# Altium PCB A8_multiple.PcbDoc (part 6 of 10) (continued)
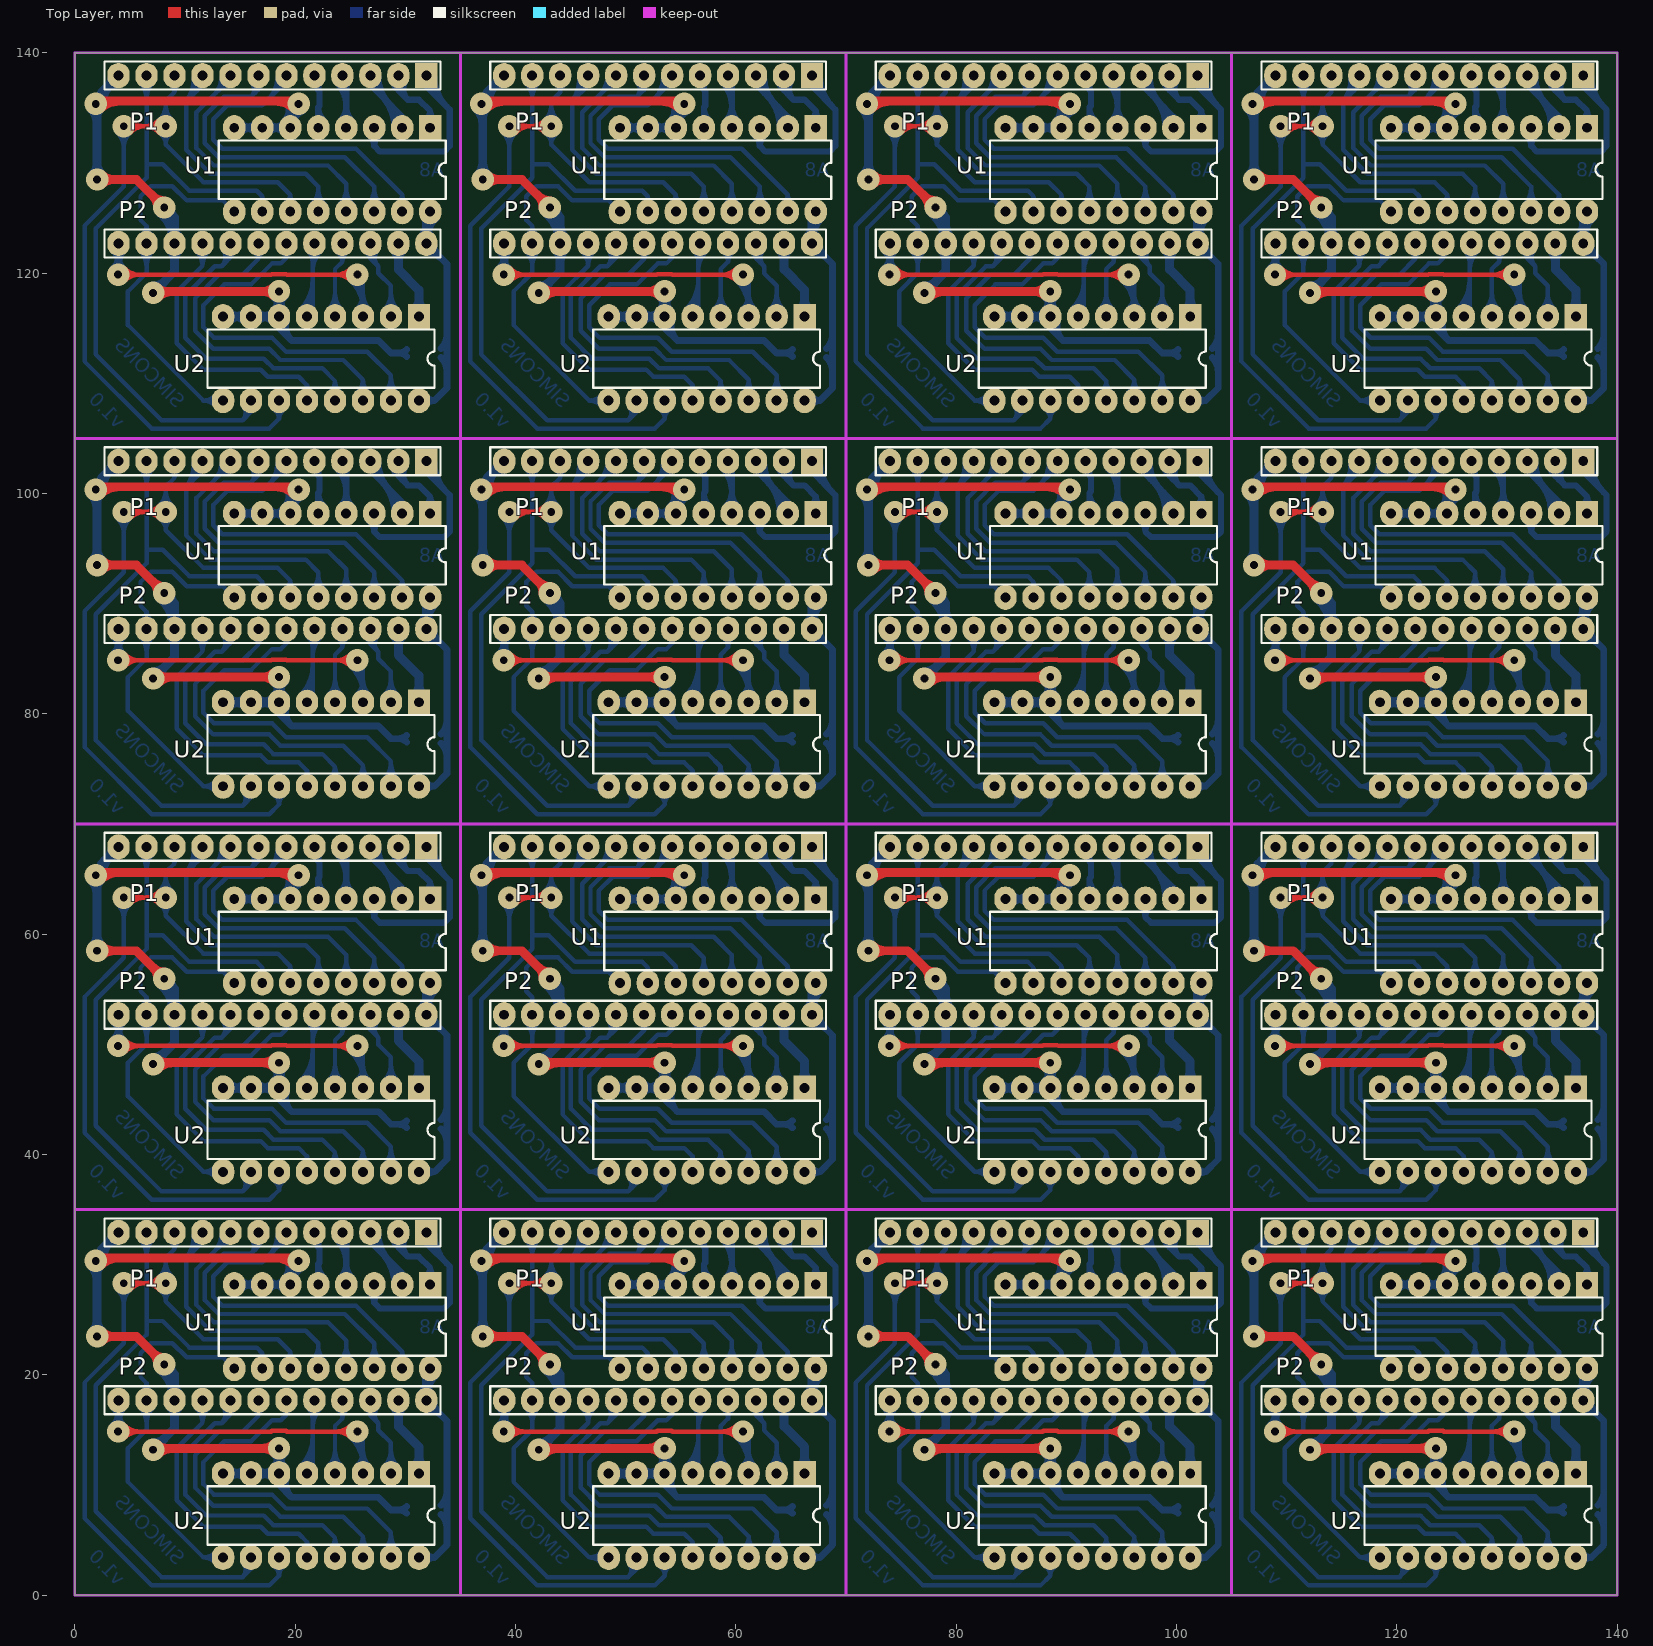
[diagram p0: Top Layer view]
## Nets (pads, with @x,y where several pads share a name; then routed paths per layer and width w, separated by ;. In a path a pad name is that pad's centre, name@x,y a point inside that pad or via, vN(x,y) a via of type N, cw(c..) or ccw(c..) an arc to the next point about the centre after c; other vN are vias at no path point) (continued)
; 72.032,134.188 cw(c73.07,134.188) v1@72.336,134.922 ; v1@72.515,30.353 cw(c75.213,30.353) 73.305,32.261 ; v1@72.515,65.353 cw(c75.213,65.353) 73.305,67.261 ; v1@72.515,100.353 cw(c75.213,100.353) 73.305,102.261 ; v1@72.515,135.353 cw(c75.213,135.353) 73.305,137.261 ; 72.718,31.674 cw(c73.975,30.416) 73.975,32.194 ; 72.718,66.674 cw(c73.975,65.416) 73.975,67.194 ; 72.718,101.674 cw(c73.975,100.416) 73.975,102.194 ; 72.718,136.674 cw(c73.975,135.416) 73.975,137.194 ; 73.024,31.98 ccw(c72.2,32.804) 73.365,32.804 ; 73.024,66.98 ccw(c72.2,67.804) 73.365,67.804 ; 73.024,101.98 ccw(c72.2,102.804) 73.365,102.804 ; 73.024,136.98 ccw(c72.2,137.804) 73.365,137.804 ; v1(77.112,13.208) 79.055,15.151 79.055,17.691 79.055,20.028 v1(78.128,20.955) ; v1@77.112,13.818 ccw(c77.112,15.289) 78.153,14.249 ccw(c79.193,13.208) v1@77.722,13.208 ; v1(77.112,48.208) 79.055,50.151 79.055,52.691 79.055,55.028 v1(78.128,55.955) ; v1@77.112,48.818 ccw(c77.112,50.289) 78.153,49.249 ccw(c79.193,48.208) v1@77.722,48.208 ; v1(77.112,83.208) 79.055,85.151 79.055,87.691 79.055,90.028 v1(78.128,90.955) ; v1@77.112,83.818 ccw(c77.112,85.289) 78.153,84.249 ccw(c79.193,83.208) v1@77.722,83.208 ; v1(77.112,118.208) 79.055,120.151 79.055,122.691 79.055,125.028 v1(78.128,125.955) ; v1@77.112,118.818 ccw(c77.112,120.289) 78.153,119.249 ccw(c79.193,118.208) v1@77.722,118.208 ; v1@77.726,20.497 cw(c75.15,17.562) 79.055,17.562 ; v1@77.726,55.497 cw(c75.15,52.562) 79.055,52.562 ; v1@77.726,90.497 cw(c75.15,87.562) 79.055,87.562 ; v1@77.726,125.497 cw(c75.15,122.562) 79.055,122.562 ; v1@78.262,21.108 cw(c76.725,19.357) 79.055,19.357 ; v1@78.262,56.108 cw(c76.725,54.357) 79.055,54.357 ; v1@78.262,91.108 cw(c76.725,89.357) 79.055,89.357 ; v1@78.262,126.108 cw(c76.725,124.357) 79.055,124.357 ; 78.624,17.133 cw(c77.583,16.092) 79.055,16.092 cw(c80.527,16.092) 79.486,17.133 ; 78.624,18.249 ccw(c77.583,19.29) 79.055,19.29 ccw(c80.527,19.29) 79.486,18.249 ; 78.624,52.133 cw(c77.583,51.092) 79.055,51.092 cw(c80.527,51.092) 79.486,52.133 ; 78.624,53.249 ccw(c77.583,54.29) 79.055,54.29 ccw(c80.527,54.29) 79.486,53.249 ; 78.624,87.133 cw(c77.583,86.092) 79.055,86.092 cw(c80.527,86.092) 79.486,87.133 ; 78.624,88.249 ccw(c77.583,89.29) 79.055,89.29 ccw(c80.527,89.29) 79.486,88.249 ; 78.624,122.133 cw(c77.583,121.092) 79.055,121.092 cw(c80.527,121.092) 79.486,122.133 ; 78.624,123.249 ccw(c77.583,124.29) 79.055,124.29 ccw(c80.527,124.29) 79.486,123.249 ; 83.462,11.049 86.002,11.049 88.542,11.049 v1(88.542,13.335) ; 83.462,46.049 86.002,46.049 88.542,46.049 v1(88.542,48.335) ; 83.462,81.049 86.002,81.049 88.542,81.049 v1(88.542,83.335) ; 83.462,116.049 86.002,116.049 88.542,116.049 v1(88.542,118.335) ; 83.893,10.618 cw(c84.934,9.577) 84.934,11.049 cw(c84.934,12.521) 83.893,11.48 ; 83.893,45.618 cw(c84.934,44.577) 84.934,46.049 cw(c84.934,47.521) 83.893,46.48 ; 83.893,80.618 cw(c84.934,79.577) 84.934,81.049 cw(c84.934,82.521) 83.893,81.48 ; 83.893,115.618 cw(c84.934,114.577) 84.934,116.049 cw(c84.934,117.521) 83.893,116.48 ; 85.571,10.618 ccw(c84.53,9.577) 84.53,11.049 ccw(c84.53,12.521) 85.571,11.48 ; 85.571,45.618 ccw(c84.53,44.577) 84.53,46.049 ccw(c84.53,47.521) 85.571,46.48 ; 85.571,80.618 ccw(c84.53,79.577) 84.53,81.049 ccw(c84.53,82.521) 85.571,81.48 ; 85.571,115.618 ccw(c84.53,114.577) 84.53,116.049 ccw(c84.53,117.521) 85.571,116.48 ; 86.433,10.618 cw(c87.474,9.577) 87.474,11.049 cw(c87.474,12.521) 86.433,11.48 ; 86.433,45.618 cw(c87.474,44.577) 87.474,46.049 cw(c87.474,47.521) 86.433,46.48 ; 86.433,80.618 cw(c87.474,79.577) 87.474,81.049 cw(c87.474,82.521) 86.433,81.48 ; 86.433,115.618 cw(c87.474,114.577) 87.474,116.049 cw(c87.474,117.521) 86.433,116.48 ; 88.111,10.618 ccw(c87.07,9.577) 87.07,11.049 ccw(c87.07,12.521) 88.111,11.48 ; 88.111,11.607 ccw(c87.07,12.648) 88.542,12.648 ccw(c90.014,12.648) 88.973,11.607 ; v1@88.111,12.904 cw(c87.07,11.863) 88.542,11.863 cw(c90.014,11.863) v1@88.973,12.904 ; 88.111,45.618 ccw(c87.07,44.577) 87.07,46.049 ccw(c87.07,47.521) 88.111,46.48 ; 88.111,46.607 ccw(c87.07,47.648) 88.542,47.648 ccw(c90.014,47.648) 88.973,46.607 ; v1@88.111,47.904 cw(c87.07,46.863) 88.542,46.863 cw(c90.014,46.863) v1@88.973,47.904 ; 88.111,80.618 ccw(c87.07,79.577) 87.07,81.049 ccw(c87.07,82.521) 88.111,81.48 ; 88.111,81.607 ccw(c87.07,82.648) 88.542,82.648 ccw(c90.014,82.648) 88.973,81.607 ; v1@88.111,82.904 cw(c87.07,81.863) 88.542,81.863 cw(c90.014,81.863) v1@88.973,82.904 ; 88.111,115.618 ccw(c87.07,114.577) 87.07,116.049 ccw(c87.07,117.521) 88.111,116.48 ; 88.111,116.607 ccw(c87.07,117.648) 88.542,117.648 ccw(c90.014,117.648) 88.973,116.607 ; v1@88.111,117.904 cw(c87.07,116.863) 88.542,116.863 cw(c90.014,116.863) v1@88.973,117.904 ; v1@88.195,12.834 cw(c87.867,12.359) 88.425,12.21 ; v1@88.195,47.834 cw(c87.867,47.359) 88.425,47.21 ; v1@88.195,82.834 cw(c87.867,82.359) 88.425,82.21 ; v1@88.195,117.834 cw(c87.867,117.359) 88.425,117.209 ; v1@88.237,12.807 cw(c87.805,12.059) 88.64,12.282 ; v1@88.237,47.807 cw(c87.805,47.059) 88.64,47.282 ; v1@88.237,82.807 cw(c87.805,82.059) 88.64,82.282 ; v1@88.237,117.807 cw(c87.805,117.058) 88.64,117.282 ; 88.444,12.282 cw(c89.279,12.059) v1@88.847,12.807 ; 88.444,47.282 cw(c89.279,47.059) v1@88.847,47.807 ; 88.444,82.282 cw(c89.279,82.059) v1@88.847,82.807 ; 88.444,117.282 cw(c89.279,117.058) v1@88.847,117.807 ; 88.659,12.209 cw(c89.217,12.359) v1@88.889,12.834 ; 88.659,47.209 cw(c89.217,47.359) v1@88.889,47.834 ; 88.659,82.209 cw(c89.217,82.359) v1@88.889,82.834 ; 88.659,117.209 cw(c89.217,117.359) v1@88.889,117.834 ; 89.127,28.752 ccw(c88.086,29.793) 89.558,29.793 ccw(c91.03,29.793) 89.989,28.752 ; 89.127,63.752 ccw(c88.086,64.793) 89.558,64.793 ccw(c91.03,64.793) 89.989,63.752 ; 89.127,98.752 ccw(c88.086,99.793) 89.558,99.793 ccw(c91.03,99.793) 89.989,98.752 ; 89.127,133.752 ccw(c88.086,134.793) 89.558,134.793 ccw(c91.03,134.793) 89.989,133.752 ; 89.558,28.064 cw(c91.545,28.064) v1@90.608,29.815 ; 89.558,28.194 89.558,29.972 89.685,29.972 v1@90.447,30.734 ; 89.558,29.42 cw(c90.819,29.42) v1@90.224,30.532 ; 89.558,63.064 cw(c91.545,63.064) v1@90.608,64.815 ; 89.558,63.194 89.558,64.972 89.685,64.972 v1@90.447,65.734 ; 89.558,64.42 cw(c90.819,64.42) v1@90.224,65.532 ; 89.558,98.064 cw(c91.545,98.064) v1@90.608,99.815 ; 89.558,98.194 89.558,99.972 89.685,99.972 v1@90.447,100.734 ; 89.558,99.42 cw(c90.819,99.42) v1@90.224,100.532 ; 89.558,133.064 cw(c91.545,133.064) v1@90.608,134.815 ; 89.558,133.194 89.558,134.972 89.685,134.972 v1@90.447,135.734 ; 89.558,134.42 cw(c90.819,134.42) v1@90.224,135.532 ; v1(90.32,30.353) 90.32,30.48 90.447,30.607 v1@90.447,30.734 ; v1(90.32,65.353) 90.32,65.48 90.447,65.607 v1@90.447,65.734 ; v1(90.32,100.353) 90.32,100.48 90.447,100.607 v1@90.447,100.734 ; v1(90.32,135.353) 90.32,135.48 90.447,135.607 v1@90.447,135.734 ; v1@90.574,30.861 v1@90.447,30.734 ; v1@90.574,65.861 v1@90.447,65.734 ; v1@90.574,100.861 v1@90.447,100.734 ; v1@90.574,135.861 v1@90.447,135.734 ; 98.944,17.133 cw(c97.903,16.092) 99.375,16.092 cw(c100.847,16.092) 99.806,17.133 ; 98.944,52.133 cw(c97.903,51.092) 99.375,51.092 cw(c100.847,51.092) 99.806,52.133 ; 98.944,87.133 cw(c97.903,86.092) 99.375,86.092 cw(c100.847,86.092) 99.806,87.133 ; 98.944,122.133 cw(c97.903,121.092) 99.375,121.092 cw(c100.847,121.092) 99.806,122.133 ; 99.375,17.691 99.375,15.329 101.242,13.462 101.242,11.049 ; 99.375,52.691 99.375,50.329 101.242,48.462 101.242,46.049 ; 99.375,87.691 99.375,85.329 101.242,83.462 101.242,81.049 ; 99.375,122.691 99.375,120.329 101.242,118.462 101.242,116.049 ; 100.811,11.607 ccw(c99.77,12.648) 101.242,12.648 ccw(c102.714,12.648) 101.673,11.607 ; 100.811,46.607 ccw(c99.77,47.648) 101.242,47.648 ccw(c102.714,47.648) 101.673,46.607 ; 100.811,81.607 ccw(c99.77,82.648) 101.242,82.648 ccw(c102.714,82.648) 101.673,81.607 ; 100.811,116.607 ccw(c99.77,117.648) 101.242,117.648 ccw(c102.714,117.648) 101.673,116.607 ; 101.484,18.249 ccw(c100.443,19.29) 101.915,19.29 ccw(c103.387,19.29) 102.346,18.249 ; 101.484,53.249 ccw(c100.443,54.29) 101.915,54.29 ccw(c103.387,54.29) 102.346,53.249 ; 101.484,88.249 ccw(c100.443,89.29) 101.915,89.29 ccw(c103.387,89.29) 102.346,88.249 ; 101.484,123.249 ccw(c100.443,124.29) 101.915,124.29 ccw(c103.387,124.29) 102.346,123.249 ; 101.915,17.691 101.915,20.231 102.258,20.574 ; 101.915,18.147 cw(c104.558,18.147) 102.689,20.016 ; 101.915,52.691 101.915,55.231 102.258,55.574 ; 101.915,53.147 cw(c104.558,53.147) 102.689,55.016 ; 101.915,87.691 101.915,90.231 102.258,90.574 ; 101.915,88.147 cw(c104.558,88.147) 102.689,90.016 ; 101.915,122.691 101.915,125.231 102.258,125.574 ; 101.915,123.147 cw(c104.558,123.147) 102.689,125.016 ; v1@106.474,29.922 cw(c105.127,28.575) 107.032,28.575 ; v1@106.474,64.922 cw(c105.127,63.575) 107.032,63.575 ; v1@106.474,99.922 cw(c105.127,98.575) 107.032,98.575 ; v1@106.474,134.922 cw(c105.127,133.575) 107.032,133.575 ; v1@106.601,23.926 ccw(c105.56,24.967) 107.032,24.967 ccw(c108.504,24.967) v1@107.463,23.926 ; v1@106.601,58.926 ccw(c105.56,59.967) 107.032,59.967 ccw(c108.504,59.967) v1@107.463,58.926 ; v1@106.601,93.926 ccw(c105.56,94.967) 107.032,94.967 ccw(c108.504,94.967) v1@107.463,93.926 ; v1@106.601,128.926 ccw(c105.56,129.967) 107.032,129.967 ccw(c108.504,129.967) v1@107.463,128.926 ; v1(107.032,23.495) 107.032,30.226 107.413,30.607 107.413,31.369 108.975,32.931 ; 107.032,29.188 cw(c108.07,29.188) v1@107.336,29.922 ; v1(107.032,58.495) 107.032,65.226 107.413,65.607 107.413,66.369 108.975,67.931 ; 107.032,64.188 cw(c108.07,64.188) v1@107.336,64.922 ; v1(107.032,93.495) 107.032,100.226 107.413,100.607 107.413,101.369 108.975,102.931 ; 107.032,99.188 cw(c108.07,99.188) v1@107.336,99.922 ; v1(107.032,128.495) 107.032,135.226 107.413,135.607 107.413,136.369 108.975,137.931 ; 107.032,134.188 cw(c108.07,134.188) v1@107.336,134.922 ; v1@107.515,30.353 cw(c110.213,30.353) 108.305,32.261 ; v1@107.515,65.353 cw(c110.213,65.353) 108.305,67.261 ; v1@107.515,100.353 cw(c110.213,100.353) 108.305,102.261 ; v1@107.515,135.353 cw(c110.213,135.353) 108.305,137.261 ; 107.718,31.674 cw(c108.975,30.416) 108.975,32.194 ; 107.718,66.674 cw(c108.975,65.416) 108.975,67.194 ; 107.718,101.674 cw(c108.975,100.416) 108.975,102.194 ; 107.718,136.674 cw(c108.975,135.416) 108.975,137.194 ; 108.024,31.98 ccw(c107.2,32.804) 108.365,32.804 ; 108.024,66.98 ccw(c107.2,67.804) 108.365,67.804 ; 108.024,101.98 ccw(c107.2,102.804) 108.365,102.804 ; 108.024,136.98 ccw(c107.2,137.804) 108.365,137.804 ; v1(112.112,13.208) 114.055,15.151 114.055,17.691 114.055,20.028 v1(113.128,20.955) ; v1@112.112,13.818 ccw(c112.112,15.289) 113.153,14.249 ccw(c114.193,13.208) v1@112.722,13.208 ; v1(112.112,48.208) 114.055,50.151 114.055,52.691 114.055,55.028 v1(113.128,55.955) ; v1@112.112,48.818 ccw(c112.112,50.289) 113.153,49.249 ccw(c114.193,48.208) v1@112.722,48.208 ; v1(112.112,83.208) 114.055,85.151 114.055,87.691 114.055,90.028 v1(113.128,90.955) ; v1@112.112,83.818 ccw(c112.112,85.289) 113.153,84.249 ccw(c114.193,83.208) v1@112.722,83.208 ; v1(112.112,118.208) 114.055,120.151 114.055,122.691 114.055,125.028 v1(113.128,125.955) ; v1@112.112,118.818 ccw(c112.112,120.289) 113.153,119.249 ccw(c114.193,118.208) v1@112.722,118.208 ; v1@112.726,20.497 cw(c110.15,17.562) 114.055,17.562 ; v1@112.726,55.497 cw(c110.15,52.562) 114.055,52.562 ; v1@112.726,90.497 cw(c110.15,87.562) 114.055,87.562 ; v1@112.726,125.497 cw(c110.15,122.562) 114.055,122.562 ; v1@113.262,21.108 cw(c111.725,19.357) 114.055,19.357 ; v1@113.262,56.108 cw(c111.725,54.357) 114.055,54.357 ; v1@113.262,91.108 cw(c111.725,89.357) 114.055,89.357 ; v1@113.262,126.108 cw(c111.725,124.357) 114.055,124.357 ; 113.624,17.133 cw(c112.583,16.092) 114.055,16.092 cw(c115.527,16.092) 114.486,17.133 ; 113.624,18.249 ccw(c112.583,19.29) 114.055,19.29 ccw(c115.527,19.29) 114.486,18.249 ; 113.624,52.133 cw(c112.583,51.092) 114.055,51.092 cw(c115.527,51.092) 114.486,52.133 ; 113.624,53.249 ccw(c112.583,54.29) 114.055,54.29 ccw(c115.527,54.29) 114.486,53.249 ; 113.624,87.133 cw(c112.583,86.092) 114.055,86.092 cw(c115.527,86.092) 114.486,87.133 ; 113.624,88.249 ccw(c112.583,89.29) 114.055,89.29 ccw(c115.527,89.29) 114.486,88.249 ; 113.624,122.133 cw(c112.583,121.092) 114.055,121.092 cw(c115.527,121.092) 114.486,122.133 ; 113.624,123.249 ccw(c112.583,124.29) 114.055,124.29 ccw(c115.527,124.29) 114.486,123.249 ; 118.462,11.049 121.002,11.049 123.542,11.049 v1(123.542,13.335) ; 118.462,46.049 121.002,46.049 123.542,46.049 v1(123.542,48.335) ; 118.462,81.049 121.002,81.049 123.542,81.049 v1(123.542,83.335) ; 118.462,116.049 121.002,116.049 123.542,116.049 v1(123.542,118.335) ; 118.893,10.618 cw(c119.934,9.577) 119.934,11.049 cw(c119.934,12.521) 118.893,11.48 ; 118.893,45.618 cw(c119.934,44.577) 119.934,46.049 cw(c119.934,47.521) 118.893,46.48 ; 118.893,80.618 cw(c119.934,79.577) 119.934,81.049 cw(c119.934,82.521) 118.893,81.48 ; 118.893,115.618 cw(c119.934,114.577) 119.934,116.049 cw(c119.934,117.521) 118.893,116.48 ; 120.571,10.618 ccw(c119.53,9.577) 119.53,11.049 ccw(c119.53,12.521) 120.571,11.48 ; 120.571,45.618 ccw(c119.53,44.577) 119.53,46.049 ccw(c119.53,47.521) 120.571,46.48 ; 120.571,80.618 ccw(c119.53,79.577) 119.53,81.049 ccw(c119.53,82.521) 120.571,81.48 ; 120.571,115.618 ccw(c119.53,114.577) 119.53,116.049 ccw(c119.53,117.521) 120.571,116.48 ; 121.433,10.618 cw(c122.474,9.577) 122.474,11.049 cw(c122.474,12.521) 121.433,11.48 ; 121.433,45.618 cw(c122.474,44.577) 122.474,46.049 cw(c122.474,47.521) 121.433,46.48 ; 121.433,80.618 cw(c122.474,79.577) 122.474,81.049 cw(c122.474,82.521) 121.433,81.48 ; 121.433,115.618 cw(c122.474,114.577) 122.474,116.049 cw(c122.474,117.521) 121.433,116.48 ; 123.111,10.618 ccw(c122.07,9.577) 122.07,11.049 ccw(c122.07,12.521) 123.111,11.48 ; 123.111,11.607 ccw(c122.07,12.648) 123.542,12.648 ccw(c125.014,12.648) 123.973,11.607 ; v1@123.111,12.904 cw(c122.07,11.863) 123.542,11.863 cw(c125.014,11.863) v1@123.973,12.904 ; 123.111,45.618 ccw(c122.07,44.577) 122.07,46.049 ccw(c122.07,47.521) 123.111,46.48 ; 123.111,46.607 ccw(c122.07,47.648) 123.542,47.648 ccw(c125.014,47.648) 123.973,46.607 ; v1@123.111,47.904 cw(c122.07,46.863) 123.542,46.863 cw(c125.014,46.863) v1@123.973,47.904 ; 123.111,80.618 ccw(c122.07,79.577) 122.07,81.049 ccw(c122.07,82.521) 123.111,81.48 ; 123.111,81.607 ccw(c122.07,82.648) 123.542,82.648 ccw(c125.014,82.648) 123.973,81.607 ; v1@123.111,82.904 cw(c122.07,81.863) 123.542,81.863 cw(c125.014,81.863) v1@123.973,82.904 ; 123.111,115.618 ccw(c122.07,114.577) 122.07,116.049 ccw(c122.07,117.521) 123.111,116.48 ; 123.111,116.607 ccw(c122.07,117.648) 123.542,117.648 ccw(c125.014,117.648) 123.973,116.607 ; v1@123.111,117.904 cw(c122.07,116.863) 123.542,116.863 cw(c125.014,116.863) v1@123.973,117.904 ; v1@123.195,12.834 cw(c122.867,12.359) 123.425,12.21 ; v1@123.195,47.834 cw(c122.867,47.359) 123.425,47.21 ; v1@123.195,82.834 cw(c122.867,82.359) 123.425,82.21 ; v1@123.195,117.834 cw(c122.867,117.359) 123.425,117.209 ; v1@123.237,12.807 cw(c122.805,12.059) 123.64,12.282 ; v1@123.237,47.807 cw(c122.805,47.059) 123.64,47.282 ; v1@123.237,82.807 cw(c122.805,82.059) 123.64,82.282 ; v1@123.237,117.807 cw(c122.805,117.058) 123.64,117.282 ; 123.444,12.282 cw(c124.279,12.059) v1@123.847,12.807 ; 123.444,47.282 cw(c124.279,47.059) v1@123.847,47.807 ; 123.444,82.282 cw(c124.279,82.059) v1@123.847,82.807 ; 123.444,117.282 cw(c124.279,117.058) v1@123.847,117.807 ; 123.659,12.209 cw(c124.217,12.359) v1@123.889,12.834 ; 123.659,47.209 cw(c124.217,47.359) v1@123.889,47.834 ; 123.659,82.209 cw(c124.217,82.359) v1@123.889,82.834 ; 123.659,117.209 cw(c124.217,117.359) v1@123.889,117.834 ; 124.127,28.752 ccw(c123.086,29.793) 124.558,29.793 ccw(c126.03,29.793) 124.989,28.752 ; 124.127,63.752 ccw(c123.086,64.793) 124.558,64.793 ccw(c126.03,64.793) 124.989,63.752 ; 124.127,98.752 ccw(c123.086,99.793) 124.558,99.793 ccw(c126.03,99.793) 124.989,98.752 ; 124.127,133.752 ccw(c123.086,134.793) 124.558,134.793 ccw(c126.03,134.793) 124.989,133.752 ; 124.558,28.064 cw(c126.545,28.064) v1@125.608,29.815 ; 124.558,28.194 124.558,29.972 124.685,29.972 v1@125.447,30.734 ; 124.558,29.42 cw(c125.819,29.42) v1@125.224,30.532 ; 124.558,63.064 cw(c126.545,63.064) v1@125.608,64.815 ; 124.558,63.194 124.558,64.972 124.685,64.972 v1@125.447,65.734 ; 124.558,64.42 cw(c125.819,64.42) v1@125.224,65.532 ; 124.558,98.064 cw(c126.545,98.064) v1@125.608,99.815 ; 124.558,98.194 124.558,99.972 124.685,99.972 v1@125.447,100.734 ; 124.558,99.42 cw(c125.819,99.42) v1@125.224,100.532 ; 124.558,133.064 cw(c126.545,133.064) v1@125.608,134.815 ; 124.558,133.194 124.558,134.972 124.685,134.972 v1@125.447,135.734 ; 124.558,134.42 cw(c125.819,134.42) v1@125.224,135.532 ; v1(125.32,30.353) 125.32,30.48 125.447,30.607 v1@125.447,30.734 ; v1(125.32,65.353) 125.32,65.48 125.447,65.607 v1@125.447,65.734 ; v1(125.32,100.353) 125.32,100.48 125.447,100.607 v1@125.447,100.734 ; v1(125.32,135.353) 125.32,135.48 125.447,135.607 v1@125.447,135.734 ; v1@125.574,30.861 v1@125.447,30.734 ; v1@125.574,65.861 v1@125.447,65.734 ; v1@125.574,100.861 v1@125.447,100.734 ; v1@125.574,135.861 v1@125.447,135.734 ; 133.944,17.133 cw(c132.903,16.092) 134.375,16.092 cw(c135.847,16.092) 134.806,17.133 ; 133.944,52.133 cw(c132.903,51.092) 134.375,51.092 cw(c135.847,51.092) 134.806,52.133 ; 133.944,87.133 cw(c132.903,86.092) 134.375,86.092 cw(c135.847,86.092) 134.806,87.133 ; 133.944,122.133 cw(c132.903,121.092) 134.375,121.092 cw(c135.847,121.092) 134.806,122.133 ; 134.375,17.691 134.375,15.329 136.242,13.462 136.242,11.049 ; 134.375,52.691 134.375,50.329 136.242,48.462 136.242,46.049 ; 134.375,87.691 134.375,85.329 136.242,83.462 136.242,81.049 ; 134.375,122.691 134.375,120.329 136.242,118.462 136.242,116.049 ; 135.811,11.607 ccw(c134.77,12.648) 136.242,12.648 ccw(c137.714,12.648) 136.673,11.607 ; 135.811,46.607 ccw(c134.77,47.648) 136.242,47.648 ccw(c137.714,47.648) 136.673,46.607 ; 135.811,81.607 ccw(c134.77,82.648) 136.242,82.648 ccw(c137.714,82.648) 136.673,81.607 ; 135.811,116.607 ccw(c134.77,117.648) 136.242,117.648 ccw(c137.714,117.648) 136.673,116.607 ; 136.484,18.249 ccw(c135.443,19.29) 136.915,19.29 ccw(c138.387,19.29) 137.346,18.249 ; 136.484,53.249 ccw(c135.443,54.29) 136.915,54.29 ccw(c138.387,54.29) 137.346,53.249 ; 136.484,88.249 ccw(c135.443,89.29) 136.915,89.29 ccw(c138.387,89.29) 137.346,88.249 ; 136.484,123.249 ccw(c135.443,124.29) 136.915,124.29 ccw(c138.387,124.29) 137.346,123.249 ; 136.915,17.691 136.915,20.231 137.258,20.574 ; 136.915,18.147 cw(c139.558,18.147) 137.689,20.016 ; 136.915,52.691 136.915,55.231 137.258,55.574 ; 136.915,53.147 cw(c139.558,53.147) 137.689,55.016 ; 136.915,87.691 136.915,90.231 137.258,90.574 ; 136.915,88.147 cw(c139.558,88.147) 137.689,90.016 ; 136.915,122.691 136.915,125.231 137.258,125.574 ; 136.915,123.147 cw(c139.558,123.147) 137.689,125.016

## Polygon pours and split planes (outlines as drawn)
no net on Bottom Layer "Top Layer-No Net 1" (solid, pour order 116): 105.686,112.417 105.686,125.549 105.914,125.777 105.965,125.726 105.965,124.71 105.965,111.782 106.092,111.655
no net on Bottom Layer "Top Layer-No Net 1" (solid, pour order 114): 112.442,105.686 111.731,105.686 110.817,106.6 105.686,111.731 105.686,112.417 106.041,112.417 107.235,111.223 112.493,105.965 112.645,105.965
no net on Bottom Layer "Top Layer-No Net 1" (solid, pour order 112): 126.082,133.143 126.082,133.829 126.641,134.388 126.819,134.566 126.819,134.794 126.819,136.953 126.539,137.233 127.504,136.267 127.504,135.836 127.581,135.759 127.581,133.143
no net on Bottom Layer "Top Layer-No Net 1" (solid, pour order 110): 123.136,136.191 123.72,136.191 123.999,136.471 124.736,137.207 124.736,137.283 124.609,137.283 123.974,137.918 123.263,137.207 123.263,136.623 123.263,136.572 123.009,136.318
no net on Bottom Layer "Top Layer-No Net 1" (solid, pour order 108): 119.554,136.09 120.011,136.09 120.596,136.674 120.672,136.75 120.672,137.969 122.678,137.969 122.678,137.36 122.196,136.877 121.104,135.785 120.85,135.785
no net on Bottom Layer "Top Layer-No Net 1" (solid, pour order 106): 118.487,136.674 119.427,136.674 119.859,137.106 119.554,137.41 118.919,137.41 118.589,137.41 118.462,137.283
no net on Bottom Layer "Top Layer-No Net 1" (solid, pour order 104): 115.287,135.023 117.344,137.08 117.344,137.41 116.989,137.41 116.595,137.804 115.592,136.801 115.592,136.115 115.592,136.039 115.135,135.582 115.084,135.531 115.084,135.023
no net on Bottom Layer "Top Layer-No Net 1" (solid, pour order 102): 132.686,108.404 132.686,111.248 131.238,112.696 131.111,112.823 131.111,113.077 131.67,113.077 133.905,110.842 134.718,110.029 134.718,108.378
no net on Bottom Layer "Top Layer-No Net 1" (solid, pour order 100): 130.171,108.429 130.171,111.147 129.663,111.655 129.181,112.137 129.181,112.315 130.4,112.315 131.695,111.02 132.178,110.537 132.178,108.378
no net on Bottom Layer "Top Layer-No Net 1" (solid, pour order 98): 127.631,108.48 127.631,110.334 126.717,111.248 127.022,111.553 127.2,111.553 127.86,111.553 128.597,111.553 129.333,110.817 129.638,110.512 129.638,108.429
no net on Bottom Layer "Top Layer-No Net 1" (solid, pour order 96): 20 vertices, not listed, extent 118.386,108.454 127.098,111.274
no net on Bottom Layer "Top Layer-No Net 1" (solid, pour order 94): 135.353,111.909 133.753,111.909 131.848,113.814 132.229,114.195 132.457,114.195 134.083,114.195 134.87,113.407 135.099,113.179 135.48,113.179
no net on Bottom Layer "Top Layer-No Net 1" (solid, pour order 92): 33 vertices, not listed, extent 135.226,106.676 139.138,127.657
no net on Bottom Layer "Top Layer-No Net 1" (solid, pour order 90): 135.226,116.074 135.226,118.64 134.82,119.046 133.702,120.164 133.702,120.748 133.702,121.332 133.55,121.485 133.346,121.688 133.346,122.729 135.378,122.729 135.378,120.977 136.115,120.24 137.258,119.097 137.258,115.414
no net on Bottom Layer "Top Layer-No Net 1" (solid, pour order 88): 132.737,121.18 133.118,120.799 133.118,120.392 133.118,119.707 133.473,119.351 132.838,119.986 132.559,119.986
no net on Bottom Layer "Top Layer-No Net 1" (solid, pour order 86): 132.686,115.998 132.686,119.529 132.356,119.859 132.33,119.884 132.33,120.469 130.832,121.967 130.832,122.729 132.838,122.729 132.838,120.215 133.931,119.122 134.718,118.335 134.718,116.024
no net on Bottom Layer "Top Layer-No Net 1" (solid, pour order 84): 130.146,116.049 130.146,117.878 129.968,118.056 129.46,118.564 129.46,120.037 129.46,120.215 130.298,121.053 131.111,121.053 131.441,120.723 131.873,120.291 131.873,120.265 131.873,119.757 132.076,119.554 132.178,119.453 132.178,116.074
no net on Bottom Layer "Top Layer-No Net 1" (solid, pour order 82): 17 vertices, not listed, extent 127.606,115.998 130.324,123.415
no net on Bottom Layer "Top Layer-No Net 1" (solid, pour order 80): 125.752,122.678 125.752,119.91 125.853,119.808 125.955,119.707 125.955,118.36 125.955,117.878 125.472,117.395 125.066,116.989 125.066,115.998 127.098,115.998 127.098,120.469 127.631,121.002 127.758,121.129 127.758,122.729
no net on Bottom Layer "Top Layer-No Net 1" (solid, pour order 78): 28 vertices, not listed, extent 117.446,113.611 125.549,119.681
no net on Bottom Layer "Top Layer-No Net 1" (solid, pour order 76): 122.272,120.519 123.212,121.459 123.212,122.577 125.041,122.577 125.218,122.755 125.218,121.256 124.406,120.443 124.075,120.113 123.161,120.113 122.729,120.113 122.196,119.58 121.383,118.767 120.85,118.767 120.85,118.995 120.799,119.046
no net on Bottom Layer "Top Layer-No Net 1" (solid, pour order 74): 120.672,122.704 120.672,121.078 120.215,120.621 119.605,120.011 119.605,119.656 120.494,119.656 122.196,121.358 122.678,121.84 122.678,122.78
no net on Bottom Layer "Top Layer-No Net 1" (solid, pour order 72): 117.446,120.646 118.132,121.332 118.132,122.805 120.113,122.805 120.138,122.78 120.138,121.383 119.961,121.205 119.173,120.418 117.598,120.418
no net on Bottom Layer "Top Layer-No Net 1" (solid, pour order 70): 117.598,122.729 117.598,121.383 116.582,120.367 116.151,119.935 115.668,119.935 115.643,119.961 115.643,122.78
no net on Bottom Layer "Top Layer-No Net 1" (solid, pour order 68): 118.462,107.311 117.522,107.311 115.998,108.835 111.909,112.925 111.909,113.306 111.985,113.23 112.823,113.23 113.687,113.23 114.22,112.696 116.354,110.563 117.776,110.563 118.36,110.563 119.199,109.724 119.478,109.445 119.478,108.429
no net on Bottom Layer "Top Layer-No Net 1" (solid, pour order 66): 113.687,106.524 113.001,106.524 112.874,106.651 107.057,112.468 107.057,113.128 109.191,110.994 113.407,106.778 113.788,106.778
no net on Bottom Layer "Top Layer-No Net 1" (solid, pour order 64): 119.986,108.404 119.986,107.438 119.3,106.753 119.605,106.448 120.265,106.448 121.104,106.448 121.535,106.88 122.018,107.362 122.018,108.454
no net on Bottom Layer "Top Layer-No Net 1" (solid, pour order 62): 122.526,108.454 122.526,106.829 121.942,106.245 121.688,105.991 121.332,105.991 121.332,105.965 121.612,105.686 123.263,105.686 124.482,106.905 124.558,106.981 124.558,108.454
no net on Bottom Layer "Top Layer-No Net 1" (solid, pour order 60): 105.686,124.152 105.686,125.701 106.422,126.438 107.819,126.438 108.48,127.098 108.556,127.022 108.556,126.869
no net on Bottom Layer "Top Layer-No Net 1" (solid, pour order 58): 108.433,115.033 108.785,115.033 109.115,115.363 108.734,115.744 108.734,115.77 108.404,115.77 108.099,115.465
no net on Bottom Layer "Top Layer-No Net 1" (solid, remove dead copper, pour order 56): 17 vertices, not listed, extent 107.616,115.033 109.928,125.549
no net on Bottom Layer "Top Layer-No Net 1" (solid, remove dead copper, pour order 54): 113.484,117.649 113.484,114.169 112.976,113.661 112.569,113.661 111.96,114.271 110.715,115.516 110.715,118.208 113.484,118.208
no net on Bottom Layer "Top Layer-No Net 1" (solid, remove dead copper, pour order 52): 24 vertices, not listed, extent 110.715,116.836 115.058,127.047
no net on Bottom Layer "Top Layer-No Net 1" (solid, remove dead copper, pour order 50): 131.721,135.886 132.432,135.175 132.889,135.175 132.94,135.175 133.575,134.54 133.778,134.743 134.337,134.743 134.337,134.947 132.737,136.547 132.711,136.521 131.594,136.521
no net on Bottom Layer "Top Layer-No Net 1" (solid, remove dead copper, pour order 48): 132.991,135.886 131.721,135.886 131.238,136.369 130.832,136.775 130.832,137.868 132.508,137.868 132.711,138.071 132.737,138.045 132.737,136.547 132.737,136.344 133.169,135.912
no net on Bottom Layer "Top Layer-No Net 1" (solid, remove dead copper, pour order 46): 130.654,133.194 130.654,135.886 130.324,136.217 130.298,136.242 130.298,137.868 128.393,137.868 128.317,137.944 128.317,134.997 128.597,134.718 128.622,134.693 128.622,133.169
no net on Bottom Layer "Top Layer-No Net 1" (solid, remove dead copper, pour order 44): 136.267,139.061 137.918,139.061 139.315,137.664 139.315,134.388 139.163,134.388 138.96,134.591 136.267,137.283 136.242,137.283
no net on Bottom Layer "Top Layer-No Net 1" (solid, remove dead copper, pour order 42): 110.512,136.852 110.512,135.378 111.045,134.845 111.426,134.464 111.426,136.09 111.579,136.242 111.655,136.318 111.655,137.283 110.715,137.283 110.512,137.487
no net on Bottom Layer "Top Layer-No Net 1" (solid, pour order 40): 109.978,136.572 109.978,135.734 109.724,135.48 109.623,135.378 108.505,135.378 108.505,136.318 108.962,136.775
no net on Bottom Layer "Top Layer-No Net 1" (solid, remove dead copper, pour order 38): 133.727,125.498 133.727,127.86 133.169,128.419 131.568,130.019 131.568,130.375 131.975,129.968 133.499,129.968 133.778,129.968 134.87,128.876 135.709,128.038 135.709,125.498
no net on Bottom Layer "Top Layer-No Net 1" (solid, remove dead copper, pour order 36): 131.162,125.523 131.162,128.52 129.994,129.689 129.257,130.425 129.028,130.425 129.028,130.679 129.079,130.73 129.968,130.73 131.899,128.8 133.194,127.504 133.194,125.447
no net on Bottom Layer "Top Layer-No Net 1" (solid, remove dead copper, pour order 34): 128.622,125.549 128.622,128.546 127.885,129.282 127.504,129.663 127.2,129.663 127.301,129.663 127.606,129.968 128.698,129.968 129.689,128.978 130.654,128.012 130.654,125.549
no net on Bottom Layer "Top Layer-No Net 1" (solid, remove dead copper, pour order 32): 126.082,125.549 126.082,128.089 125.32,128.851 125.269,128.901 125.269,129.206 126.869,129.206 127.835,128.241 128.114,127.962 128.114,125.625
no net on Bottom Layer "Top Layer-No Net 1" (solid, remove dead copper, pour order 30): 123.542,125.523 123.542,127.301 123.034,127.809 122.577,128.266 122.272,128.266 122.348,128.266 122.526,128.444 124.609,128.444 125.142,127.911 125.574,127.479 125.574,125.599